# KiCad board vootington VAN.kicad_pcb (continued)
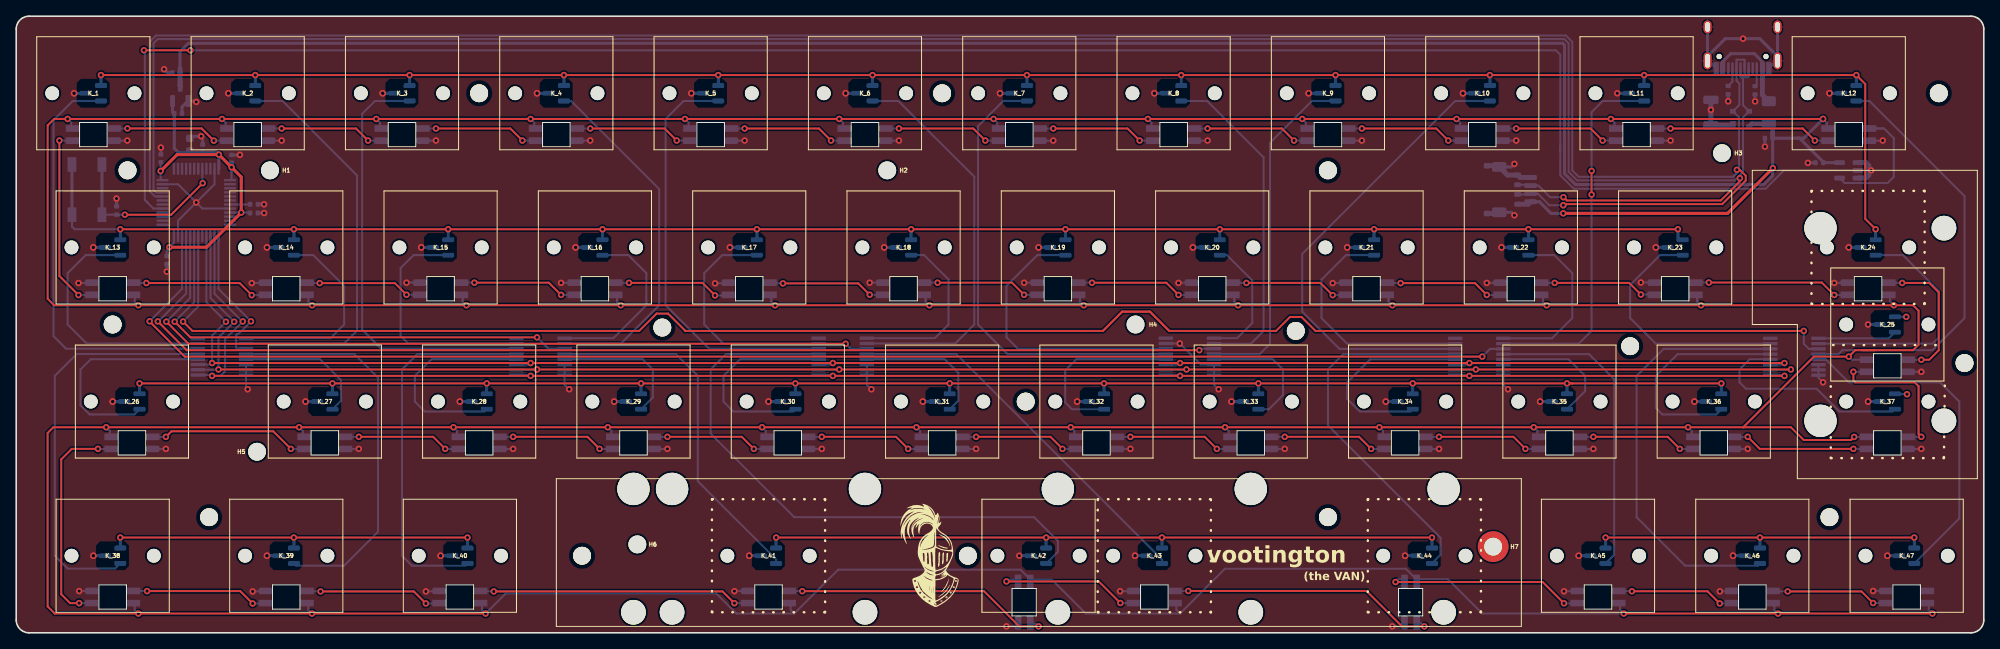
[diagram p0: board, top side]
## Copper pours and planes (outline as drawn; the poured copper is in the pictures) (continued)
GND on Top: 250.45,103.41 -8.31,101.02 -7.52,-9.31 251.24,-6.93

## Text on the board
Bottom: CHECK PCB AND PLATE FOR INTEGRITY
B.Silkscreen: by Calvin0563 / for trashman's minivan | (the VAN)
F.Silkscreen: (the VAN) | vootington
